# Altium PCB PCB_v2.PcbDoc (part 1 of 2) (continued)
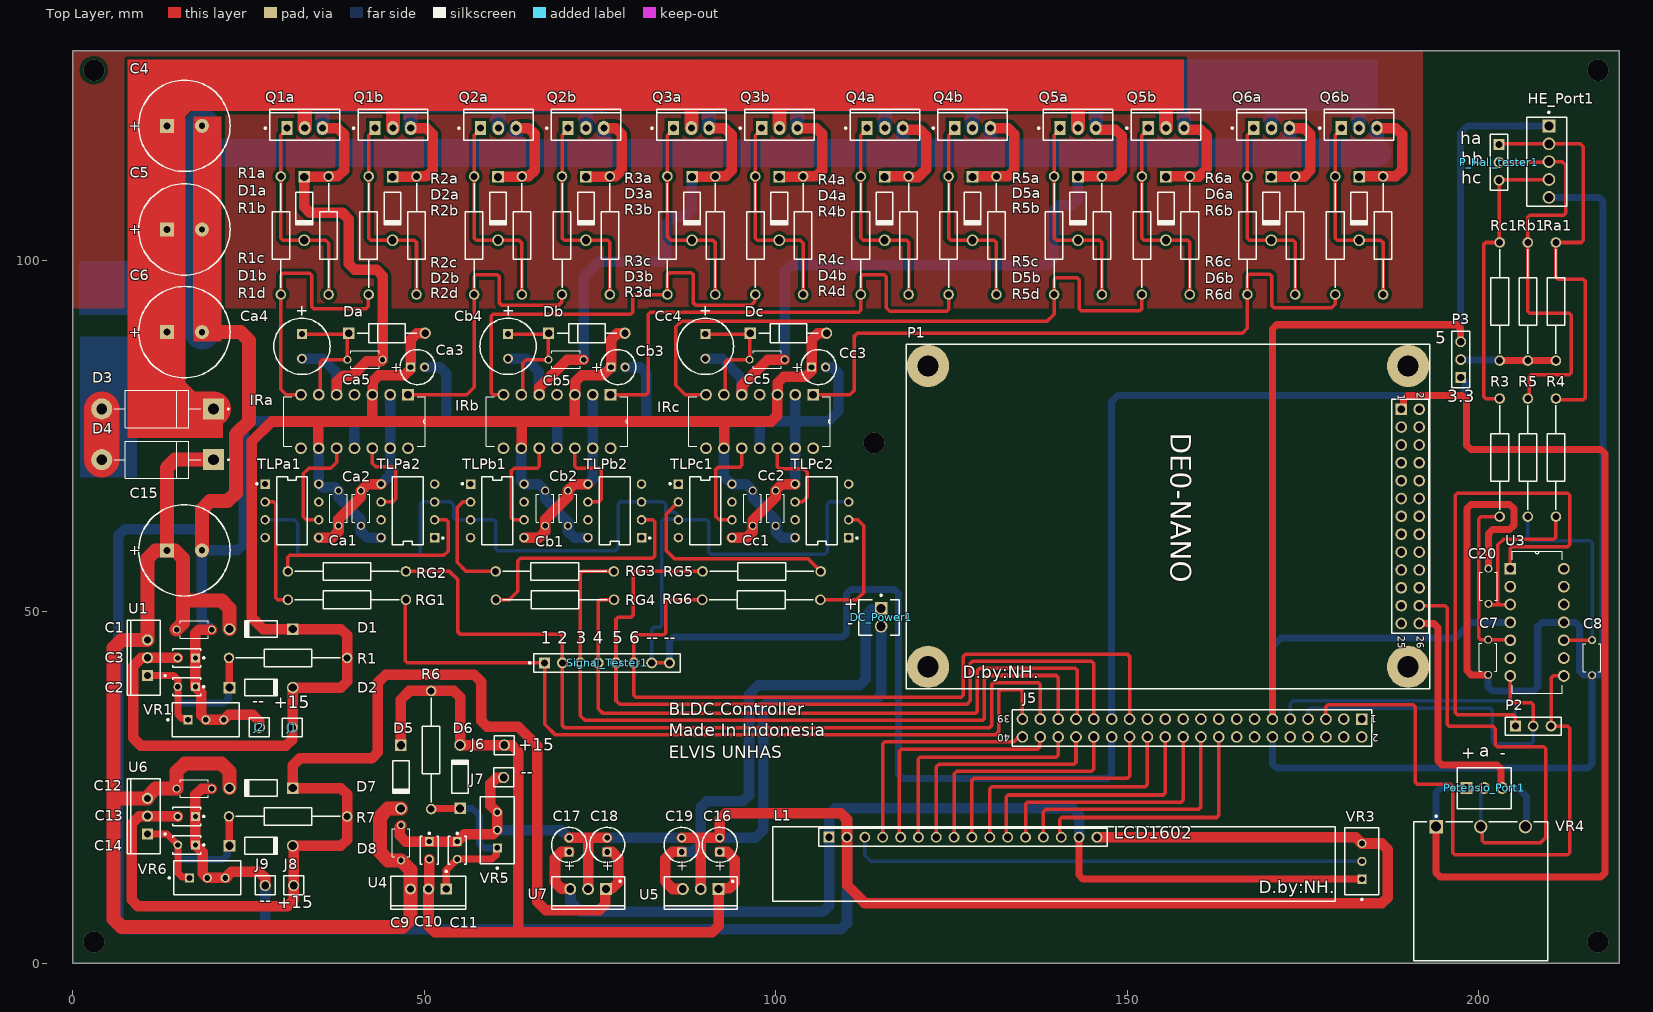
[diagram p0: Top Layer view]
## Part data
C1 C7 C8 C9 C12 C20 Ca1 Ca2 Ca5 Cb1 Cb2 Cb5 Cc1 Cc2 Cc5: library part Cap-0.1uf-50V-Ceramic_1, "Lead Capacitor X7R_EIA_ with Capacitance: 0.10F and Rated Voltage: 50Vdc", Package=NONSTANDARD, Availability=Unavailable, MF=Murata, MP=RDER71H104K0K1H03B, Price=None, SnapEDA_Link=https://www.snapeda.com/parts/RDER71H104K0K1H03B/Murata/view-part/4545566/?ref=snap
C2 C11 C14: library part Cap-0.1uf-50v-ceramic, "Ceramic Capacitor, 100 nF, +/- 10%, 50 V, -55 to 125 degC, 2-Pin THD, RoHS, Tape and Reel", Capacitance=10µF, Manufacturer=Vishay, Operating Temperature=-55°C~125°C, Package / Case=Radial, Package Description="2-Pin Through Hole Device, Body 4 x 2.6 mm", Ratings=-, Standard Package=1, Temperature Coefficient=X7R, Tolerance=±10%, Voltage - Rated=50V, Applications=GeneralPurpose, Catalog Drawings=Mono-KapSide2-15_5.58Mono-KapSide1_15, Category=Capacitors, Datasheet URL=http://www.vishay.com/docs/45171/kseries.pdf, Datasheet Version=08/2013, Family=CeramicCapacitors, Features=-, Height - Seated (Max)="0.220\"(5.58mm)", Lead Spacing="0.098\"(2.50mm)", Lead Style=Straight, Manufacturer URL=http://www.vishay.com/, Mounting Technology=ThroughHole, Mounting Type=ThroughHole, Online Catalog=Mono-Kap™Series, Other Names=BC1084CT, Package Reference=K104K15X7RF5TL2, Packaging=CutTape(CT), Series=Mono-Kap™K, Size / Dimension="0.157\"Lx0.098\"W(4.00mmx2.50mm)", Thickness (Max)=-
C3 C10 C13: library part Cap-0.1uf-50v-ceramic, "Ceramic Capacitor, 100 nF, +/- 10%, 50 V, -55 to 125 degC, 2-Pin THD, RoHS, Tape and Reel", Capacitance=1µF, Manufacturer=Vishay, Operating Temperature=-55°C~125°C, Package / Case=Radial, Package Description="2-Pin Through Hole Device, Body 4 x 2.6 mm", Ratings=-, Standard Package=1, Temperature Coefficient=X7R, Tolerance=±10%, Voltage - Rated=50V, Applications=GeneralPurpose, Catalog Drawings=Mono-KapSide2-15_5.58Mono-KapSide1_15, Category=Capacitors, Datasheet URL=http://www.vishay.com/docs/45171/kseries.pdf, Datasheet Version=08/2013, Family=CeramicCapacitors, Features=-, Height - Seated (Max)="0.220\"(5.58mm)", Lead Spacing="0.098\"(2.50mm)", Lead Style=Straight, Manufacturer URL=http://www.vishay.com/, Mounting Technology=ThroughHole, Mounting Type=ThroughHole, Online Catalog=Mono-Kap™Series, Other Names=BC1084CT, Package Reference=K104K15X7RF5TL2, Packaging=CutTape(CT), Series=Mono-Kap™K, Size / Dimension="0.157\"Lx0.098\"W(4.00mmx2.50mm)", Thickness (Max)=-
C4 C5 C6 C15: library part Cap-470uf-63v-radial, "Aluminum Electrolytic Capacitor, 470 uF, +/- 20%, 50 V, -40 to 85 degC, 2-Pin THD, RoHS, Bulk", Capacitance="47 uF", Case Code (Imperial)=1210, Case Code (Metric)=3225, Max Operating Temperature="125 degC", Min Operating Temperature="-55 degC", Package Quantity=1000, Tolerance=10%, Type (Capacitors)=X7R, Voltage Rating="10 V", Case\Package=1210, ComponentLink1Description="Manufacturer URL", ComponentLink1URL=http://www.panasonic.com/, ComponentLink2Description=Datasheet, ComponentLink2URL=http://industrial.panasonic.com/cdbs/www-data/pdf/RDF0000/ABA0000C1047.pdf, DatasheetVersion=Mar-16, Height="2.5 mm", Length="3.2 mm", Mount="Surface Mount", PackageDescription="2-Pin Radial Lead, Dia 10 mm, Body Length 20 mm", PackageReference=CAPPR65-500-2000X1000X2200, Packaging="Tape and Reel", Pins=2, Radiation Hardening=No, REACH SVHC="No SVHC", RoHSCompliant=true, Voltage Rating (DC)="10 V", Width="2.5 mm"
C16 C17 C18 C19: library part Cap-1uf-50v-radial, "Aluminum Electrolytic Capacitor, 1 uF, +/- 20%, 50 V, -55 to 105 degC, 2-Pin THD, RoHS, Bulk", Max Operating Temperature="70 degC", Min Operating Temperature="-30 degC", Package Quantity=150, Channels=2, ComponentLink1Description="Manufacturer URL", ComponentLink1URL=http://www.panasonic.com/, ComponentLink2Description=Datasheet, ComponentLink2URL=https://datasheet.ciiva.com/7275/94060-7275472.pdf, DatasheetVersion=Mar-05, Mount="Through Hole", PackageDescription="2-Pin Radial Lead, Dia 5 mm, Body Length 11 mm", PackageReference=CAPPR55-200-1100X500X1200, Packaging=Bulk, Radiation Hardening=No, RoHSCompliant=true
Ca3 Cb3 Cc3: library part Cap-22uf-50v-radial, "Aluminum Electrolytic Capacitor, 22 uF, +/- 20%, 50 V, -40 to 85 degC, 2-Pin THD, RoHS, Bulk", Capacitance=22uF, Case/Package=Radial, Leakage Current=3uA, Manufacturer=Panasonic, Max Operating Temperature=85degC, Min Operating Temperature=-40degC, Package Description="2-Pin Radial Lead, Dia 5 mm, Height 12 mm", Package Quantity=200, Package Reference=CAPPR55-200-1100X500X1200, Ripple Current=100mA, Tolerance=20%, Voltage=50V, Datasheet URL=https://industrial.panasonic.com/cdbs/www-data/pdf/RDF0000/ABA0000C1218.pdf, Datasheet Version="Rev. 05, 10/2016", Diameter=5mm, Dissipation Factor=0.12%, Height=11mm, Height - Seated (Max)=0.472inch, Lead Diameter=0.5mm, Lead Pitch=2mm, Lead/Base Style=Straight, Length=11mm, Life (Hours)=2000Hour, Manufacturer URL=http://www.panasonic.com/, Mount=ThroughHole, Packaging=Bulk, Radiation Hardening=No, REACH SVHC=NoSVHC, Ripple Current (AC)=100mA, RoHSCompliant=true, Termination=Radial, Voltage Rating=50V, Voltage Rating (DC)=50V
Ca4 Cb4 Cc4: library part Cap-100uf-50v-radial, "Aluminum Electrolytic Capacitor, 100 uF, +/- 20%, 50 V, -40 to 85 degC, 2-Pin THD, RoHS, Bulk", Capacitance=100uF, Case/Package=Radial, Dielectric Material=Aluminium, Leakage Current=3uA, Manufacturer=Panasonic, Max Operating Temperature=85degC, Min Operating Temperature=-40degC, Package Description="2-Pin Radial Lead, Dia 8 mm, Height 12.5 mm", Package Quantity=200, Package Reference=CAPPR65-350-1150X800X1250, Ripple Current=250mA, Tolerance=20%, Voltage=50V, Datasheet URL=https://industrial.panasonic.com/cdbs/www-data/pdf/RDF0000/ABA0000C1218.pdf, Datasheet Version="Rev. 05, 10/2016", Diameter=8mm, Dissipation Factor=0.12%, Height=11.5mm, Height - Seated (Max)=0.492inch, Lead Diameter=0.6mm, Lead Free=LeadFree, Lead Pitch=3.5mm, Lead/Base Style=Straight, Length=11.5mm, Life (Hours)=2000Hour, Manufacturer URL=http://www.panasonic.com/, Mount=ThroughHole, Number of Pins=2, Packaging=Bulk, Polarity=Polar, Radiation Hardening=No, REACH SVHC=NoSVHC, Ripple Current (AC)=250mA, RoHSCompliant=true, Termination=Radial, Voltage Rating=50V, Voltage Rating (DC)=50V
D1 D1a D1b D2 D2a D2b D3a D3b D4a D4b D5a D5b D6a D6b: library part Diode-1N4001, "1.0 A Rectifier, 15 pF, 50 V, -65 to 150 degC, 2-Pin DO-41 Plastic, RoHS, Tape and Reel", Manufacturer="Diodes Inc", Max. Average Rectified Current IO (A)=1, Operating Temperature Range (degC)="-65 to 150", ComponentLink1Description="Manufacturer URL", ComponentLink1URL=http://diodes.com/, ComponentLink2Description=Datasheet, ComponentLink2URL=http://diodes.com/datasheets/ds28002.pdf, CT (pF)=15, DatasheetVersion="Rev. 8-2", Max. IFSM (A)=30, Max. IR (uA)=5, Mounting Technology="Through Hole", PackageDescription="2-Pin Axial Lead, Body 4.635 x 2.36 mm, Lead Spread 25.4 mm", PackageReference=DO-41-P-2, Packing="Tape and Reel", PartNumber=1N4001-T, RoHS=TRUE, VF (V)=1, VRRM (V)=50
D3 D4: library part Diode-1N5404, "Standard Recovery Rectifier, 2-Pin Axial_Lead, Pb-Free, Bulk Box", Manufacturer="On Semiconductor", ComponentLink1Description="Manufacturer URL", ComponentLink1URL=http://www.onsemi.com/, ComponentLink2Description=Datasheet, ComponentLink2URL=http://www.onsemi.com/pub_link/Collateral/1N5400-D.PDF, ComponentLink3Description="Package Specification", ComponentLink3URL=http://www.onsemi.com/pub_link/Collateral/267-05.PDF, DatasheetVersion="Rev. 10", IFSM Max (A)=200, IO(rec) Max (A)=3, Mounting Technology="Through Hole", PackageDescription="2-Pin, Axial Lead, Diameter 5.05 mm", PackageReference=AXIAL_LEAD-2-267-05, PackageVersion="Rev. G, 06/2000", Packing="Bulk Box", PartNumber=1N5404, RoHS=TRUE, Type="Standard Recovery", VRRM Max (V)=400
D5 D6 D7 D8: library part Diode-1N4002, "1.0 A Rectifier, 15 pF, 100 V, -65 to 150 degC, 2-Pin DO-41 Plastic, RoHS, Tape and Reel", Manufacturer="Diodes Inc", Max. Average Rectified Current IO (A)=1, Operating Temperature Range (degC)="-65 to 150", ComponentLink1Description="Manufacturer URL", ComponentLink1URL=http://diodes.com/, ComponentLink2Description=Datasheet, ComponentLink2URL=http://diodes.com/datasheets/ds28002.pdf, CT (pF)=15, DatasheetVersion="Rev. 8-2", Max. IFSM (A)=30, Max. IR (uA)=5, Mounting Technology="Through Hole", PackageDescription="2-Pin Axial Lead, Body 4.635 x 2.36 mm, Lead Spread 25.4 mm", PackageReference=DO-41-P-2, Packing="Tape and Reel", PartNumber=1N4002-T, RoHS=TRUE, VF (V)=1, VRRM (V)=100
Da Db Dc: library part Diode-UF4007, "DIODE GEN PURP 1KV 1A DO204AL", Capacitance=17pF, Forward Current=1A, Manufacturer=Vishay, Max Junction Temp=+150°C, Max Repetitive Reverse Voltage=1000V, Max Surge Forward Current=30A, Package=UF4007, Peak Reverse Current=10uA, Temperature="-55°C to +150°C", Temperature Range Low=-55°C, Automotive=No, Category=Diode, ComponentLink2Description=Datasheet, ComponentLink2URL=http://www.vishay.com/docs/88755/uf4001.pdf, Device Class L1="Discrete Semiconductors", Device Class L2=Diodes, Device Class L3="Rectifier Diodes", Digikey Description="DIODE GEN PURP 1KV 1A DO204AL", Height=2.7mm, Ipc Land Pattern Name=DIOPA1088W105L520D270, Lead Free=Yes, Manufacturer Part Number=UF4007-E3/54, Mouser Description="Rectifiers Vr/1000V Io/1A", Octopart=https://octopart.com/uf4007-e3%2F54-vishay-42333894, RoHS=TRUE, Temperature Range High=+150°C
DC_Power1: library part Conn-Wire-header-2pin, "Male Header, Pitch 2.54 mm, 1 x 2 Position, Height 10.49 mm, Tail Length 3.556 mm, -55 to 105 degC, RoHS, Bulk", Color=White, Current, Rating="5 /  / A", Flammability Rating=UL94V-0, Manufacturer="TE Connectivity", Temperature, Operating="-55to+105 /  / degC", Voltage, Rating="250 /  / V", Agency Approvals=CSA,UL, Angle=Straight, Brand/Series=MTA-100Series, Color, Housing=White, Connector Type=MTA-100, Contact Centerline Spacing="0.100 /  / in.", Contact Mating Area Plating=Tin, Contact Plating=Tin, Contact Shape=Square, Contact Termination Area Plating=Tin, Datasheet URL=https://datasheet.ciiva.com/11746/0900766b80eb7fdd-11746365.pdf, Datasheet Version="Rev. W, 06/2004", Length, Overall="0.2 /  / \"", Length, Pin="0.14 /  / \"", Length, Terminal Post="0.14 /  / in.", Manufacturer URL=http://www.te.com/, Material, Contact=CopperAlloy, Material, Housing=Polyester, Mount Angle=Vertical, Mounting Hole Size="0.04 /  / \"", Mounting Type=PCMount, Number Of Contacts=2, Number of Positions=2, Number Of Rows=1, Pin Spacing="0.1 /  / \"", Primary Type=InterconnectSystem, Size, Post="0.025 /  / in.", Special Features=Pinstrip, Standards=RoHSCompliant,ELVCompliant,UL94V-0, Termination=Solder, Type=PCBPlug
HE_Port1: library part Conn-Wire-header-5pin, "Male Header, Pitch 2.54 mm, 1 x 5 Position, Height 10.03 mm, Tail Length 3.56 mm,  / -55 to 105 degC, RoHS, Bulk", Color=White, Current, Rating="5 /  / A", Flammability Rating=UL94V-0, Manufacturer="TE Connectivity", Package Description="Male Header, Pitch 2.54 mm, 1 x 5 Position, Height 10.03 mm, Tail Length 3.56 mm", Package Reference=THD, Temperature, Operating="-55to+105 /  / °C", Voltage, Rating="250 /  / V", Agency Approvals=CSA,UL, Angle=Straight, Brand/Series=MTA-100Series, Color, Housing=White, Connector Type=MTA-100, Contact Centerline Spacing="0.100 /  / in.", Contact Mating Area Plating=Tin, Contact Plating=Tin, Contact Shape=Square, Contact Termination Area Plating=Tin, Datasheet URL=http://sigma.octopart.com/77881742/technical_drawing/TE-Connectivity-640456-5.pdf, Datasheet Version="Rev. W3", Length, Overall="0.5 /  / \"", Length, Pin="0.14 /  / \"", Length, Terminal Post="0.14 /  / in.", Manufacturer URL=http://www.te.com, Material, Contact=CopperAlloy, Material, Housing=Polyester, Mount Angle=Vertical, Mounting Hole Size="0.04 /  / \"", Mounting Type=PCMount, Number Of Contacts=5, Number of Positions=5, Number Of Rows=1, Pin Spacing="0.1 /  / \"", Primary Type=InterconnectSystem, Size, Post="0.025 /  / in.", Special Features=Pinstrip, Standards=RoHSCompliant,ELVCompliant,UL94V-0, Termination=Solder, Type=PCBPlug
IRa IRb IRc: "Floating channel designed for bootstrap operation", Package="DIP-14 Infineon", Availability=Unavailable, MF=Infineon, MP=IR2110PBF, Price=None, SnapEDA_Link=https://www.snapeda.com/parts/IR2110PBF/Infineon%20Technologies/view-part/547122/?ref=snap
J1 J2 J6 J7 J8 J9: library part Pin-Header-1Pin, "THT Vertical Pin Header WR-PHD, Pitch 2.54 mm, Single Row, 1 pins", Contact Resistance=20mOhm, Manufacturer="Wurth Elektronik", Operating Temperature=-40to105degC, Rated Current=3A, Withstanding Voltage=500VAC, Working Voltage=250VAC, Datasheet URL=https://katalog.we-online.de/em/datasheet/6130xx11121.pdf, Gender=Male, Manufacturer URL=http://www.we-online.de, Mounting Technology=THT, Orientation=Vertical, Package Reference=61300111121, Packaging=Bag, Part Number=61300111121, Pin Number=1, Pitch=2.54mm, Publisher=WurthElektronik, Row Number=Single
J5: library part Pin-Header-2x20P, "THT Vertical Pin Header WR-PHD, Pitch 2.54 mm, Dual Row, 40 pins", Contact Resistance=20mOhm, Manufacturer="Wurth Elektronik", Operating Temperature=-40to105degC, Rated Current=3A, Withstanding Voltage=500VAC, Working Voltage=250VAC, Datasheet URL=https://katalog.we-online.de/em/datasheet/6130xx21121.pdf, Gender=Male, Manufacturer URL=http://www.we-online.de, Mounting Technology=THT, Orientation=Vertical, Package Reference=61304021121, Packaging=Bag, Part Number=61304021121, Pin Number=40, Pitch=2.54mm, Publisher=WurthElektronik, Row Number=Dual
L1: library part LCD1602, "0.025\" SQ Post Header, Through-hole, Vertical, -55 to 105 degC, 2.54 mm Pitch, 16-Pin, Male, RoHS", Manufacturer=Samtec, Temperature Range="-55 to 105 degC", ComponentLink1Description="Manufacturer URL", ComponentLink1URL=http://www.samtec.com, ComponentLink2Description=Datasheet, ComponentLink2URL=http://www.samtec.com/documents/webfiles/pdf/TSW_TH.PDF, ComponentLink3Description="Package Specification", ComponentLink3URL=http://www.samtec.com/documents/webfiles/cpdf/TSW-XXX-XX-XXX-X-XX-XXX-MKT.pdf, DatasheetVersion=F-214, Mounting Technology=Through-hole, Orientation=Vertical, PackageDescription=".025[0.64] SQ. Post Terminal Strip Assembly", PackageReference=TSW-116-08-X-S, PackageVersion="DM, 8/1988", PartNumber=TSW-116-08-T-S, Pitch="2.54 mm", RoHS=True
P1: library part DE0_NANO, "THT Vertical Pin Header WR-PHD, Pitch 2.54 mm, Dual Row, 26 pins", Contact Resistance=20mOhm, Manufacturer="Wurth Elektronik", Operating Temperature=-40to105degC, Rated Current=3A, Withstanding Voltage=500VAC, Working Voltage=250VAC, Datasheet URL=https://katalog.we-online.de/em/datasheet/6130xx21121.pdf, Gender=Male, Manufacturer URL=http://www.we-online.de, Mounting Technology=THT, Orientation=Vertical, Package Reference=61302621121, Packaging=Bag, Part Number=61302621121, Pin Number=26, Pitch=2.54mm, Publisher=WurthElektronik, Row Number=Dual
P2 P3 P_Hall_tester1: library part Pin-Header-3pin, "0.025\" SQ Post Header, Through-hole, Vertical, -55 to 105 degC, 2.54 mm Pitch, 3-Pin, Male, RoHS", Manufacturer=Samtec, Temperature Range="-55 to 105 degC", ComponentLink1Description="Manufacturer URL", ComponentLink1URL=http://www.samtec.com, ComponentLink2Description=Datasheet, ComponentLink2URL=http://www.samtec.com/documents/webfiles/pdf/TSW_TH.PDF, ComponentLink3Description="Package Specification", ComponentLink3URL=http://www.samtec.com/documents/webfiles/cpdf/TSW-XXX-XX-XXX-X-XX-XXX-MKT.pdf, DatasheetVersion=F-214, Mounting Technology=Through-hole, Orientation=Vertical, PackageDescription=".025[0.64] SQ. Post Terminal Strip Assembly", PackageReference=TSW-103-07-X-S, PackageVersion="DM, 8/1988", PartNumber=TSW-103-07-T-S, Pitch="2.54 mm", RoHS=True
Potensio_Port1: library part Conn-Wire-header-3pin, "Male Header, Pitch 2.54 mm, 1 x 3 Position, Height 11.7 mm, Tail Length 3.56 mm, -40 to 80 degC, RoHS, Bulk", Current Rating=4A, Manufacturer=Molex, Operating Temperature=0°Cto+75°C, Package Description="Male Header, Pitch 2.54 mm, 1 x 3 Position, Height 11.7 mm, Tail Length 3.56 mm", Voltage Rating=250V, Contact Material=Tinplatedbrass, Datasheet URL=http://www.molex.com/webdocs/datasheets/pdf/en-us/0022272031_PCB_HEADERS.pdf, Datasheet Version=06/2016, Housing Material=Nylon(UL94V-0), Manufacturer URL=http://www.molex.com/, Mounting Technology=ThroughHole, Package Reference=22-27-2031, Package URL=http://www.molex.com/pdm_docs/sd/022272031_sd.pdf
Q1a Q1b Q2a Q2b Q3a Q3b Q4a Q4b Q5a Q5b Q6a Q6b: library part Mosfet-IRF3205, "HEXFET(R) Power N-Channel MOSFET, 55 V, 110 A, -55 to 117 degC, 3-Pin TO-220AB, RoHS, Rail/Tube", Manufacturer="International Rectifier", Maximum Continuous Drain Current=110A, Maximum Drain Source Resistance=0.008Ω, Maximum Drain Source Voltage=55V, Maximum Gate Source Voltage=±20V, Maximum Gate Threshold Voltage=4V, Maximum Operating Temperature=+175degC, Maximum Power Dissipation=200W, Minimum Gate Threshold Voltage=2V, Minimum Operating Temperature=-55degC, Package Description="3-Pin Plastic (Green) Transistor Single Outline Package, 9.9 x 9.2 mm Body, 2.54 mm Pitch", Package Reference=PG-TO-220AB, Package Type=TO-220AB, Package Version=Feb-04, Typical Input Capacitance @ Vds=3247pF@25V, Category=PowerMOSFET, Channel Mode=Enhancement, Channel Type=N, Datasheet URL=http://datasheet.octopart.com/IRF3205PBF-International-Rectifier-datasheet-10898897.pdf, Datasheet Version=Jul-10, Dimensions=10.54x4.69x8.77mm, Height=8.77mm, Length=10.54mm, Manufacturer URL=http://internationalrectifier.com/, Mounting Type=ThroughHole, Number of Elements per Chip=1, Package URL=http://www.infineon.com/dgdl/bts110.pdf?folderId=db3a304412b407950112b43583c16310&fileId=db3a304412b407950112b43584326311&sId=db3a30443e3c704d013e4eb6657a2604, Pin Count=3, Transistor Configuration=Single, Transistor Material=Si, Typical Gate Charge @ Vgs=146nC@10V, Typical Turn-Off Delay Time=50ns, Typical Turn-On Delay Time=14ns, Width=4.69mm
R1 R1a R1b R1c R1d R2a R2b R2c R2d R3a R3b R3c R3d R4a R4b R4c R4d R5a R5b R5c R5d R6 R6a R6b R6c R6d R7 Ra1 Rb1 Rc1 RG1 RG2 RG3 RG4 RG5 RG6: library part Resistor-1-Watt, "Resistor", Manufacturer_Name=Ohmite, Manufacturer_Part_Number=OK1025E-R52, Mouser Part Number=588-OK1025E-R52, Datasheet Link=https://www.alliedelec.com/m/d/7f961050c862e52d900c42b673f6b00a.pdf, Mouser Price/Stock=https://www.mouser.co.uk/ProductDetail/Ohmite/OK1025E-R52?qs=AkUtuiJmyfnfEYTpIxxGIg%3D%3D
R3 R4 R5: "Resistor", Manufacturer_Name=Ohmite, Manufacturer_Part_Number=OK1025E-R52, Mouser Part Number=588-OK1025E-R52, Datasheet Link=https://www.alliedelec.com/m/d/7f961050c862e52d900c42b673f6b00a.pdf, Mouser Price/Stock=https://www.mouser.co.uk/ProductDetail/Ohmite/OK1025E-R52?qs=AkUtuiJmyfnfEYTpIxxGIg%3D%3D
Signal_Tester1: library part Pin-Header-8pin, "CONN HEADER VERT 8POS 2.54MM", Case/Package=SIL, Color=Black, Contact Resistance=30mR, Current Rating=3A, Insulation Resistance=1GR, Max Operating Temperature=105°C, Min Operating Temperature=-40°C, Package Quantity=1000, Connector Type="Male Pin", Contact Material=Brass, Contact Mating Length=0.24inch, Contact Plating=Tin, Contact Type="Male Pin", Depth=2.54mm, Gender=Male, Housing Color=Black, Housing Material=Nylon, Length=20.32mm, Max Current Rating=3A, Mount="Through Hole", Number Of Contacts=8, Number of Positions=8, Number Of Rows=1, Orientation=Straight, Packaging=Bulk, Pitch=2.54mm, Radiation Hardening=No, REACH SVHC="No SVHC", RoHS Compliant=Yes, Series=M20, Termination=Solder
TLPa1 TLPa2 TLPb1 TLPb2 TLPc1 TLPc2: "Optocoupler Drive Push-Pull 1-CH 30V 600V 8-Pin PDIP", Forward Current=10mA, Forward Voltage=1.6V, Isolation Voltage=2500Vrms, Manufacturer=TOSHIBA, Max Junction Temp=+125°C, Max Supply Voltage=30V, Min Supply Voltage=10V, Package=11-10C4, Power Dissipation=800mW, Reverse Voltage=5V, Temperature="-20°C to +85°C", Temperature Range High=+85°C, Temperature Range Low=-20°C, Automotive=No, Category=Trans, ComponentLink2Description=Datasheet, ComponentLink2URL=https://toshiba.semicon-storage.com/info/docget.jsp?did=16821&prodName=TLP250, Device Class L1=Optoelectronics, Device Class L2=Optocouplers, Device Class L3=unset, Height=4.85mm, Ipc Land Pattern Name=DIP762W50P254L966H445Q8, Lead Free=Yes, Manufacturer Part Number=TLP250, Octopart=https://octopart.com/tlp-250-toshiba-99104964, RoHS=TRUE, Standoff Height=0.55mm, Turn Off Delay Time=0.15us, Turn On Delay Time=0.15us
U1 U4 U6: library part Voltage-Regulator-LM317, "3-Terminal Adjustable Regulator, 3-pin TO-220, Pb-Free", Manufacturer="Texas Instruments", PackageTopMarking="NSUZXYTTE#*LM317T P+", PowerWise=N, ComponentLink1Description="Datasheet URL", ComponentLink1URL=http://www.ti.com/general/docs/lit/getliterature.tsp?genericPartNumber=LM317-N&fileType=pdf, CompType="LDO IC", PackageDescription="TO-220, Molded, 3 Lead, Straight", PackageReference=NDE0003A, PinCount=3, RoHS=Y
U3: Package=None, Availability=Unavailable, MP=LM324NE3, Price=None
U5 U7: library part Voltage-Regulator-L7805ACV, "Positive Voltage Regulator, 5V, 3-Pin TO-220", ComponentLink1Description="Manufacturer URL", ComponentLink1URL=http://www.st.com, ComponentLink2Description=Datasheet, ComponentLink2URL=http://www.st.com/internet/com/TECHNICAL_RESOURCES/TECHNICAL_LITERATURE/DATASHEET/CD00000444.pdf, ComponentLink3Description="Package Specification", ComponentLink3URL=http://www.st.com/internet/com/TECHNICAL_RESOURCES/TECHNICAL_LITERATURE/PACKAGE_INFORMATION/CD00004649.pdf, DatasheetVersion=16/11/2011, PackageDescription="TO, Thru-Hole, Vertical, Heatsink Mounted; 3 In-Line Leads; Pitch 2.54 mm", PackageReference=TO220, PackageVersion=ver3.0
VR1 VR3 VR5 VR6: library part Resistor-Trimmer, "Square Trimpot(R) Trimming Potentiometer, 10 KOhm, +/- 10%, 0.5 W, -55 to 125 degC, 3-Pin THD, RoHS, Tube", Case Code (Imperial)=0603, Case Code (Metric)=1608, Max Operating Temperature="155 degC", Min Operating Temperature="-55 degC", Package Quantity=5000, Power Rating="100 mW", Resistance="120 Ohm", Tolerance=1%, Type (Resistor)="Thick Film", Voltage Rating="75 V", Case\Package=0603, ComponentLink1Description="Manufacturer URL", ComponentLink1URL=http://www.bourns.com/, ComponentLink2Description=Datasheet, ComponentLink2URL=http://www.bourns.com/docs/Product-Datasheets/3296.pdf, DatasheetVersion=May-16, Height="0.45 mm", Length="1.55 mm", Mount="Surface Mount", PackageDescription="3-Pin Through Hole Device, Body 9.53 x 4.83 mm, Pitch 2.54 mm", PackageReference=3296W, Packaging="Tape and Reel", Pins=2, Radiation Hardening=No, REACH SVHC=Unknown, RoHSCompliant=true, Weight="7.1E-05 oz", Width="0.85 mm"
VR4: library part Potentiometer, "Diameter Panel Control, 10 KOhm, +/- 10%, 2 W, -1 to 125 degC, 3-Pin THD, RoHS, Bulk", Manufacturer=Bourns, Power (Watts)=2W, Resistance (Ohms)=10k, Resistive Material=Cermet, Standard Package=45, Temperature Coefficient=±150ppm/degC, Tolerance=±10%, Actuator Diameter="0.250\"(6.35mm)", Actuator Length="0.875\"(22.23mm)", Actuator Type=Slotted, Associated Product="36-8560-ND / -KNOBINSTRUMW/DIALRND.9\"DIA / 36-8555-ND / -KNOBINSTRUMSKIRTEDRND.7\"DIA / 36-8556-ND / -KNOBINSTRUMSKIRTEDRND.9\"DIA / 36-8565-ND / -KNOBINSTRUMDBLBARRND.7\"DIA / 36-8566-ND / -KNOBINSTRUMDBLBARRND.9\"DIA / 36-8568-ND / -KNOBINSTRUMSGLBARRND.7\"DIA / 36-8569-ND / -KNOBINSTRUMSGLBARRND.9\"DIA / 36-8559-ND / -KNOBINSTRUMW/DIALRND.7\"DIA / 226-1006-ND / -KNOBBLKGLOSS.75\"DIA.250\"SHAFT / 226-1007-ND / -KNOBBLKGLOSS.925\"DIA.250\"SHAFT / 226-1011-ND / -KNOBBLKGLOS", Built in Switch=None, Bushing Thread=3/8-32, Catalog Drawings="3852SeriesSide1 /  / 3852SeriesSide2", Category=Potentiometers,VariableResistors, Datasheet URL=https://datasheet.ciiva.com/11831/0900766b80f93b4b-11831016.pdf, Datasheet Version=Sep-14, Family=RotaryPotentiometers,Rheostats, Manufacturer URL=http://www.bourns.com/, Mounting Type=PanelMount, Number of Gangs=1, Number of Turns=1, Online Catalog=3852and3856Series, Other Names=3852A282103AL, Packaging=Bulk, PCN Design/Specification=PBTResinJun/2011, PCN Other=MultipleChanges01/Dec/2012, RoHS Information=3852A-LMaterialDeclaration, Rotation=280deg, Series=3852, Taper=Linear, Termination Style=SolderLug

## Via types
v1: diameter 3, hole 3, Top Layer to Bottom Layer, 5 vias

## Nets (pads, with @x,y where several pads share a name; then routed paths per layer and width w, separated by ;. In a path a pad name is that pad's centre, name@x,y a point inside that pad or via, vN(x,y) a via of type N, cw(c..) or ccw(c..) an arc to the next point about the centre after c; other vN are vias at no path point)
3.3GND: P1.26 Potensio_Port1.3 VR4.3 | length 42.4
  Top Layer w1: P1.26@191.54,48.3 193.614,48.3 194.2,47.714 194.2,28.736 194.786,28.15 202.62,28.15 203.206,27.564 203.206,25.034 Potensio_Port1.3@203.34,24.9
  Bottom Layer w1: Potensio_Port1.3@203.34,24.9 203.43,24.81 205.69,24.81 206.822,23.678 206.822,19.572 VR4.3@206.65,19.4
3.3V: P1.1 Potensio_Port1.1 VR4.1 | length 137.7
  Top Layer w1: P1.1@189,78.78 189.325,79.105 189.325,80.164 189.911,80.75 197.714,80.75 198.3,80.164 198.3,73.636 198.886,73.05 217.364,73.05 217.95,72.464 217.95,12.836 217.364,12.25 194.536,12.25 193.95,12.836 VR4.1@193.95,19.4
  Bottom Layer w1: VR4.1@193.95,19.4 193.95,24.25 194.6,24.9 Potensio_Port1.1@198.26,24.9
15V: C3.2 Ca1.2 Ca2.2 Ca3.1 Cb1.2 Cb2.2 Cb3.1 Cc1.2 Cc2.2 Cc3.1 D1.1 D2.2 Da.2 Db.2 Dc.2 IRa.3 IRa.9 IRb.3 IRb.9 IRc.3 IRc.9 J1.1 R1.2 TLPa1.8 TLPa2.8 TLPb1.8 TLPb2.8 TLPc1.8 TLPc2.8 U1.2 | length 300.3
  Top Layer w1.5: C3.2@14.918,43.425 U1.2@10.625,43.425 10.606,43.406 9.778,43.406 8.575,42.203 8.575,32.025 9.7,30.9 30.321,30.9 31.2,31.779 31.2,33.527 31.3,33.627 D2.2@31.3,39.18 38.146,39.18 39.025,40.059 39.025,46.621 38.146,47.5 27.1,47.5 25.45,49.15 25.45,74.2 28.285,77.035 34.9,77.035 ; IRa.9@34.995,73.225 34.995,73.273 34.9,73.368 34.9,77.035 ; IRa.3@42.615,80.797 42.615,77.035 ; IRa.3@42.615,80.845 42.649,80.879 42.649,82.721 43.527,83.6 47.171,83.6 48.05,84.479 48.05,88.671 48.96,89.581 50.119,89.581 Da.2@50.138,89.6 ; IRb.9@63.812,73.225 63.846,73.259 63.846,77.035 ; 71.432,77.035 IRb.3@71.432,80.797 ; IRb.3@71.432,80.845 71.466,80.879 71.466,82.666 72.4,83.6 75.4,83.6 Cb3.1@76.575,84.775 76.575,88.671 77.485,89.581 78.544,89.581 Db.2@78.563,89.6 ; IRc.9@92.63,73.225 92.664,73.259 92.664,77.035 ; IRc.3@100.25,80.845 100.25,77.914 99.371,77.035 42.615,77.035 ; IRc.3@100.25,80.893 100.284,80.926 100.284,82.521 101.162,83.4 104.221,83.4 105.1,84.279 Cc3.1@105.1,84.775 105.1,88.671 106.01,89.581 107.219,89.581 Dc.2@107.238,89.6 ; 34.9,77.035 42.615,77.035
  Bottom Layer w1.5: IRa.9@34.995,73.225 TLPa1.8@34.995,68.13 35.46,67.665 37.335,67.665 Ca1.2@37.8,67.2 37.8,66.25 41,63.05 41,61.389 41.879,60.51 TLPa2.8@43.865,60.51 ; IRb.9@63.812,73.225 63.812,68.528 TLPb1.8@64.21,68.13 66.27,68.13 Cb1.2@67.2,67.2 67.2,66 70.45,62.75 70.45,61.389 71.329,60.51 TLPb2.8@73.29,60.51 ; IRc.9@92.63,73.225 92.63,69.27 TLPc1.8@93.77,68.13 95.795,68.13 Cc1.2@96.725,67.2 96.725,66.225 100,62.95 100,61.389 100.879,60.51 TLPc2.8@102.765,60.51
36V_I: C4.1 C5.1 C6.1 D3.2 Q1a.2 Q1b.2 Q3a.2 Q3b.2 Q5a.2 Q5b.2 | length 227.8
  Top Layer w2: Q1a.2@33,118.775 33,124.75 ; Q1b.2@45.54,118.775 45.54,124.75 ; Q3a.2@88,118.775 88,124.75 88,125.6 ; Q3b.2@100.54,118.775 100.54,124.75 ; Q5a.2@143,118.775 143,125.5 143.1,125.6 ; Q5b.2@155.54,118.775 155.54,124.75
  Top Layer w5: D3.2@20.001,78.825 16.304,78.825 13.375,81.754 C5.1@13.375,104.35 13.375,121.371 16.754,124.75 33,124.75 45.19,124.75 88,124.75 ; 88.85,124.75 100.54,124.75 155.54,124.75
36V_P: C1.2 C9.2 C12.2 C15.1 D1.2 D4.2 D5.2 D7.2 U1.3 U4.3 U6.3 | length 188
  Top Layer w2: C1.2@14.777,47.423 15.7,48.346 15.7,51.6 ; D4.2@20.001,71.6 14.547,71.6 13.375,70.428 C15.1@13.375,58.7 ; D7.2@22.3,24.877 22.3,27.228 21.128,28.4 15.948,28.4 14.777,27.228 C12.2@14.777,24.8 11.797,24.8 10.625,23.628 U6.3@10.625,23.43 6.372,23.43 5.8,22.858 ; D1.2@22.3,47.5 22.3,50.428 21.128,51.6 15.7,51.6 ; D5.2@46.675,21.975 44.872,21.975 43.7,20.803 43.7,15.773 44.872,14.602 C9.2@46.7,14.602 48.05,13.252 U4.3@48.05,10.525 48.05,6.272 46.878,5.1 6.972,5.1 5.8,6.272 5.8,22.858 ; 5.8,22.858 5.8,44.793 6.972,45.965 U1.3@10.625,45.965 10.625,57.528 11.797,58.7 C15.1@13.375,58.7 ; C15.1@13.375,58.7 14.528,58.7 15.7,57.528 15.7,51.6
CH0: P1.24 Potensio_Port1.2 VR4.2 | length 68.1
  Top Layer w0.5: P1.24@191.54,50.84 195.257,50.84 195.55,50.547 195.55,33.943 195.843,33.65 202.05,33.65 202.35,33.35 202.35,31.043 202.643,30.75 209.257,30.75 209.55,30.457 209.55,17.85 208.8,17.1 200.793,17.1 200.5,17.393 200.5,19.2 VR4.2@200.3,19.4 VR4.2@200.5,19.6 ; Potensio_Port1.2@200.5,24.275 Potensio_Port1.2@200.8,24.575
  Bottom Layer w0.5: VR4.2@200.3,19.4 200.3,24.075 200.8,24.575 Potensio_Port1.2@200.8,24.9
D0: J5.34 L1.7 | length 33.7
  Top Layer w0.5: L1.7@122.84,17.9 122.84,27.907 123.233,28.3 142.427,28.3 142.72,28.593 J5.34@142.72,32.16
D1: J5.32 L1.8 | length 33.7
  Top Layer w0.5: L1.8@125.38,17.9 125.38,26.907 125.773,27.3 144.967,27.3 145.26,27.593 J5.32@145.26,32.16
D2: J5.28 L1.9 | length 36.3
  Top Layer w0.5: L1.9@127.92,17.9 127.92,26.007 128.213,26.3 150.047,26.3 150.34,26.593 J5.28@150.34,32.16
D3: J5.26 L1.10 | length 36.3
  Top Layer w0.5: L1.10@130.46,17.9 130.46,24.807 130.753,25.1 152.587,25.1 152.88,25.393 J5.26@152.88,32.16
D4: J5.24 L1.11 | length 36.6
  Top Layer w0.5: L1.11@133,17.9 132.799,18.101 132.799,18.697 132.779,18.718 132.779,23.607 133.072,23.9 155.127,23.9 155.42,24.193 J5.24@155.42,32.16
D5: J5.22 L1.12 | length 36.3
  Top Layer w0.5: L1.12@135.54,17.9 135.54,22.607 135.833,22.9 157.667,22.9 157.96,23.193 J5.22@157.96,32.16
D6: J5.20 L1.13 | length 36.3
  Top Layer w0.5: L1.13@138.08,17.9 138.08,21.507 138.473,21.9 160.207,21.9 160.5,22.193 J5.20@160.5,32.16